# Altium PCB 行天宮-流亡暗道-石像.PcbDoc
Units mil, origin at the board's own origin, x right, y up, seen from the top; angles counter-clockwise.
Board outline 1850.39 x 2165.35 mil, 4 copper layers (Top Layer, Layer 1, Layer 2, Bottom Layer), stack 23.756 mil thick; 16 components, 16 nets, 61 pads, 8 vias.
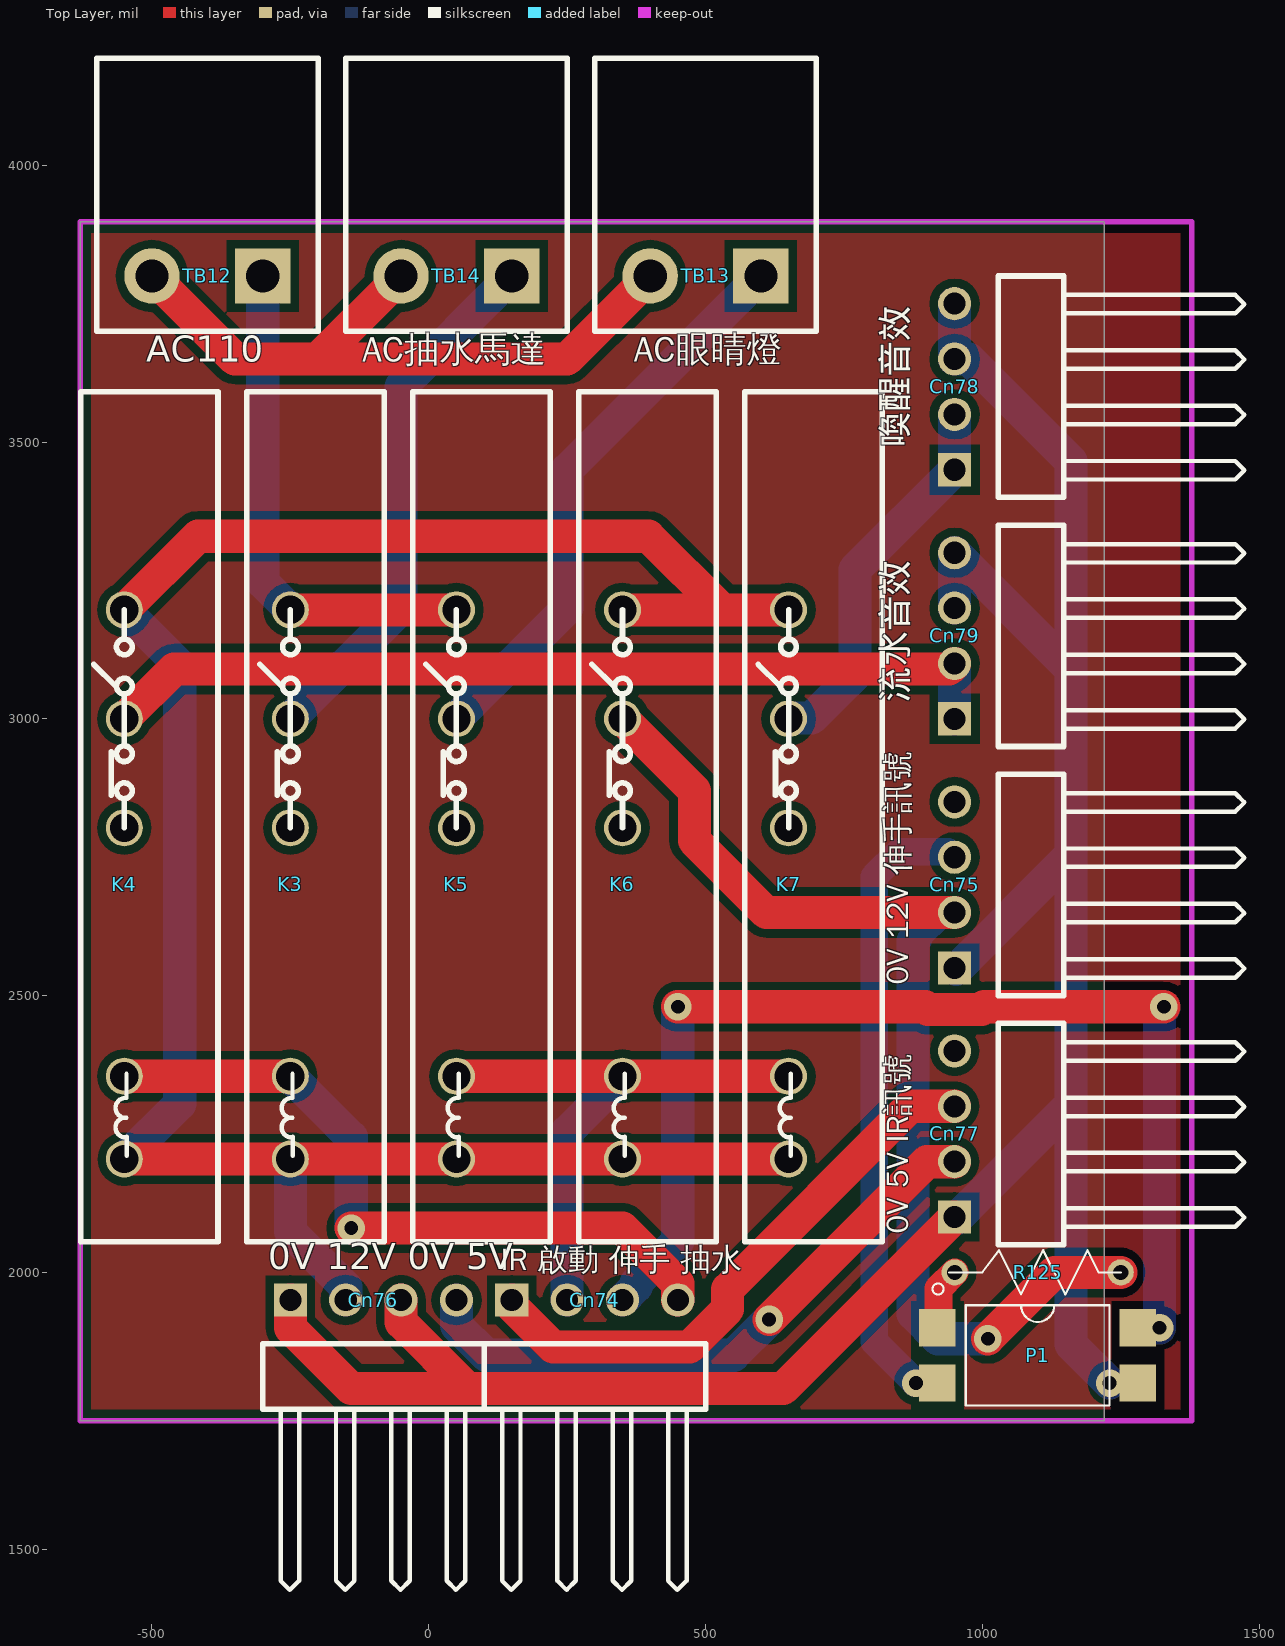
[diagram p0: Top Layer view]
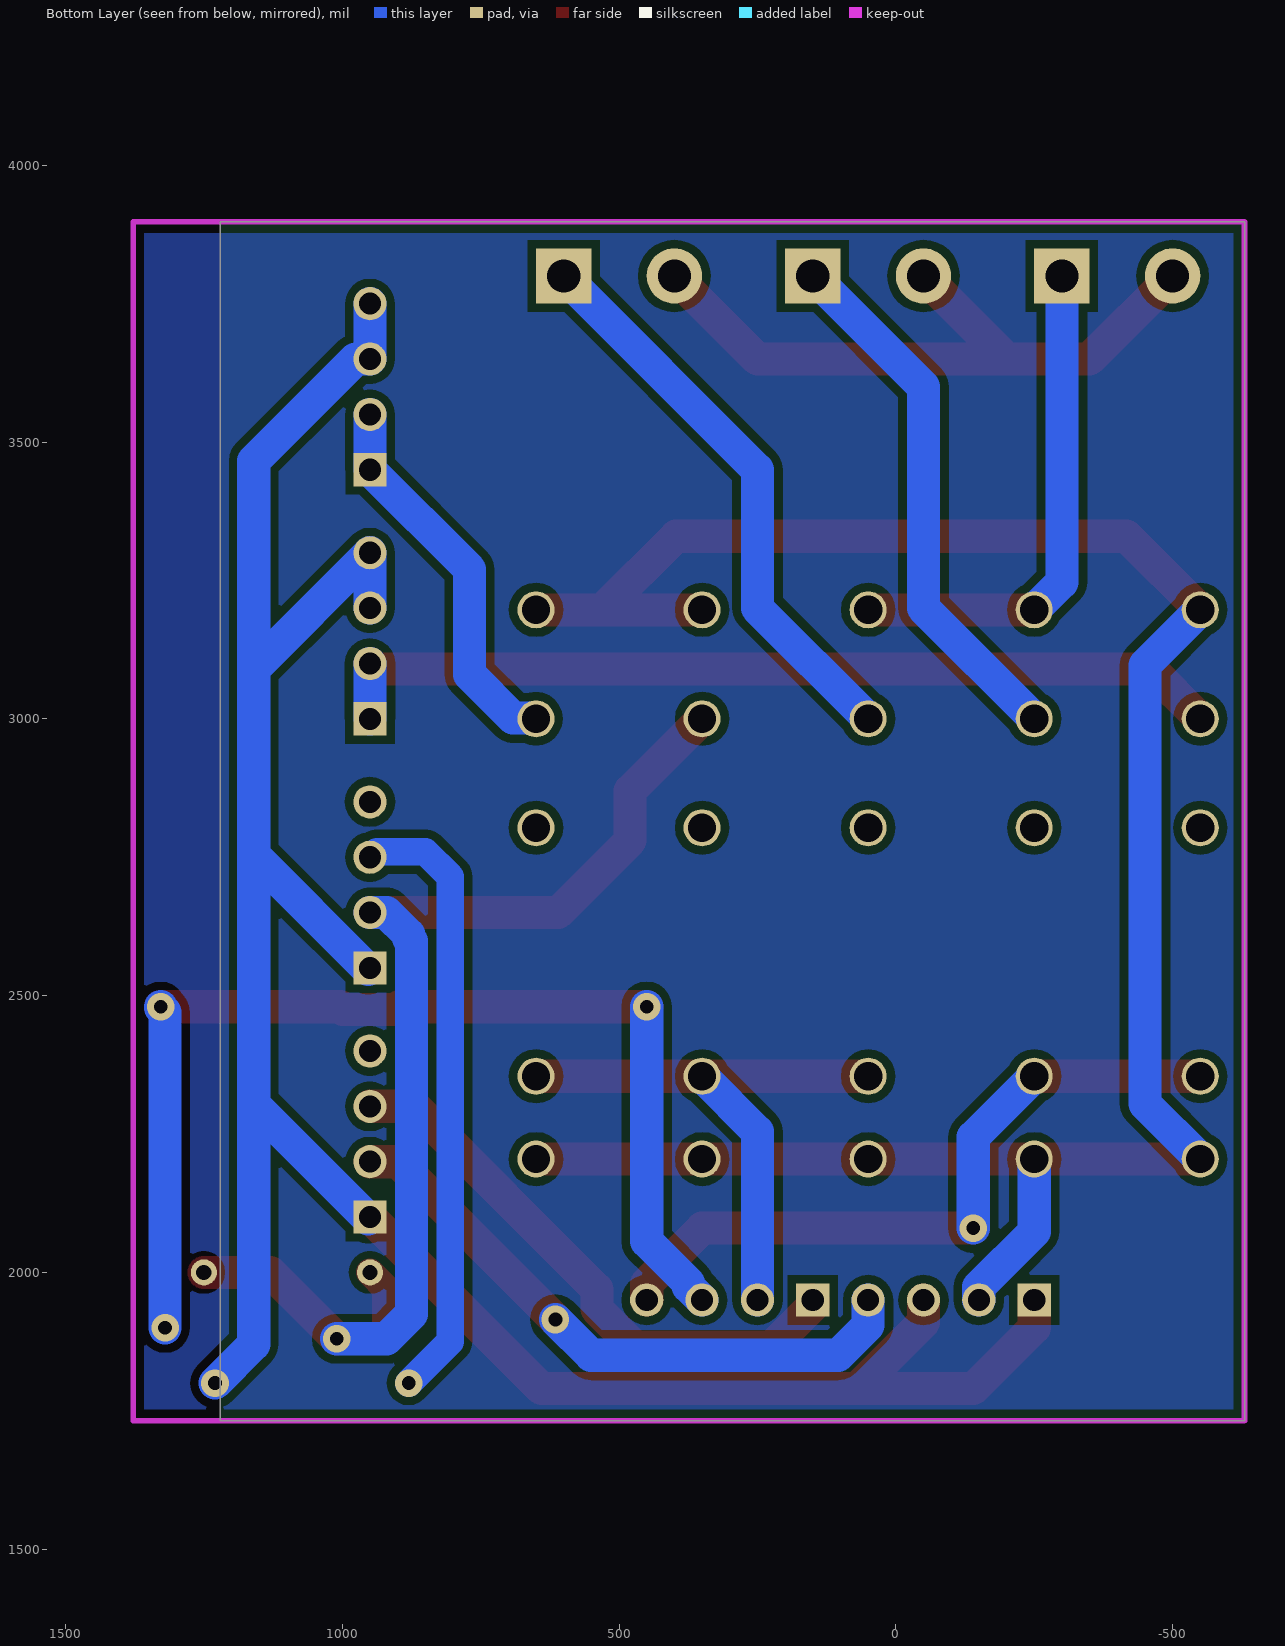
[diagram p1: Bottom Layer view, seen from below]
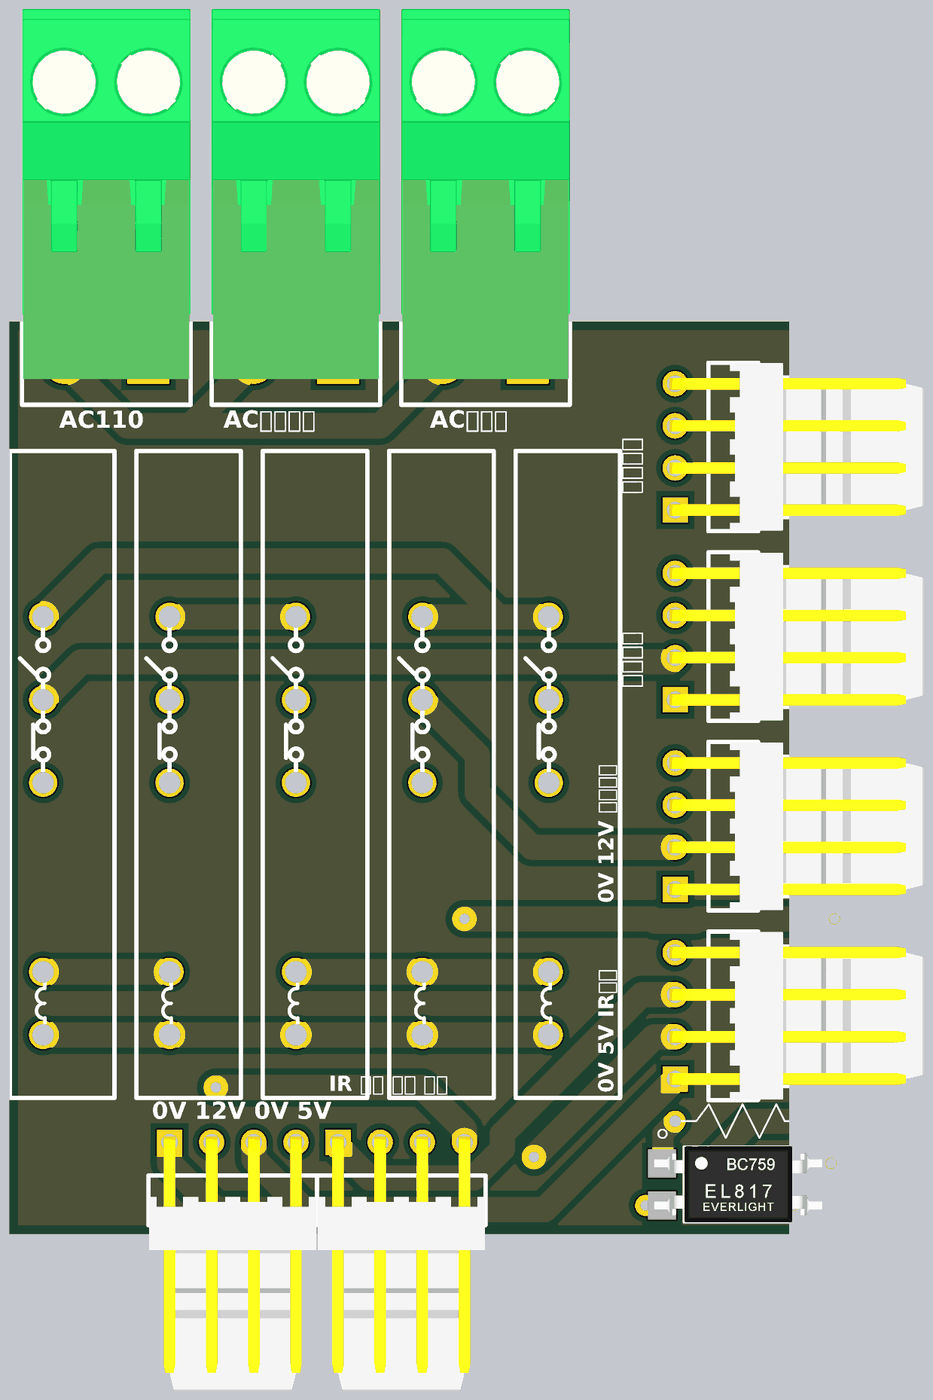
[diagram p2: 3D render of the assembled board from above, using the file's embedded part models]

## Layer stack, top to bottom
Top Solder: solder mask 0.4, Solder Resist, Dk 3.5
Top Layer: signal copper 1.4
Dielectric 2: prepreg 2.8, PP-006, Dk 4.1
Layer 1: signal copper 1.378
Dielectric 1: dielectric 12.6, FR-4, Dk 4.8
Layer 2: signal copper 1.378
Dielectric 3: prepreg 2.8, PP-006, Dk 4.1
Bottom Layer: signal copper 1.4
Bottom Solder: solder mask 0.4, Solder Resist, Dk 3.5

## Board outline
-629.92,1732.28 1220.47,1732.28 1220.47,3897.64 -629.92,3897.64

## Design rules (kind name [scope] priority, off if disabled: settings)
Clearance [All] p1: gap=15 ignorepadtopadclearanceinfootprint=FALSE except(5: Fill-Fill Fill-Poly Fill-Region Fill-Text Fill-Hole Poly-Poly Poly-Region Poly-Text Poly-Hole Region-Region Region-Text Region-Hole Text-Text Text-Hole)
ComponentClearance [All] p1: gap=0 collisioncheckmode=3 verticalgap=0 showdistances=FALSE
DiffPairsRouting [All] p1: maxlimit=10 minlimit=10 mostfreqgap=10 toplayer_minwidth=6 toplayer_maxwidth=15 toplayer_prefwidth=15 midlayer1_minwidth=6 midlayer1_maxwidth=15 midlayer1_prefwidth=15 midlayer2_minwidth=6 midlayer2_maxwidth=15 midlayer2_prefwidth=15 bottomlayer_minwidth=6 bottomlayer_maxwidth=15 bottomlayer_prefwidth=15 maxuncoupledlength=500
Height [All] p1: minheight=0 maxheight=2000 prefheight=500
PolygonConnect [All] p1: connectstyle=Relief reliefconductorwidth=10 reliefentries=4 polygonreliefangle="45 Angle" airgapwidth=10
RoutingVias [All] p1: holewidth=28 width=50 viastyle="Through Hole" minholewidth=10 minwidth=20 maxholewidth=50 maxwidth=100
SolderMaskExpansion [All] p1: expansion=4 istentingtop=FALSE
Width [All] p1: maxlimit=100 minlimit=6 preferedwidth=10 minimp=50.000000 maximp=50.000000 favimp=50.000000
27 further rules are at their usual default settings.

## Components (designator, comment, footprint, x,y, rotation, side; value= is the part's Value field where it differs from the comment)
Cn74 "KF2510-4" Connector_KF2510-4W 150,1950 r90 top
Cn75 "KF2510-4" Connector_KF2510-4W 950,2550 r180 top
Cn76 "KF2510-4" Connector_KF2510-4W -250,1950 r90 top
Cn77 "KF2510-4" Connector_KF2510-4W 950,2100 r180 top
Cn78 "KF2510-4" Connector_KF2510-4W 950,3450 r180 top
Cn79 "KF2510-4" Connector_KF2510-4W 950,3000 r180 top
K3 "G2R-1-24VDC" RELAY-HF41F-012-ZST -250,3000 r90 top
K4 "G2R-1-24VDC" RELAY-HF41F-012-ZST -550,3000 r90 top
K5 "G2R-1-24VDC" RELAY-HF41F-012-ZST 50,3000 r90 top
K6 "G2R-1-24VDC" RELAY-HF41F-012-ZST 350,3000 r90 top
K7 "G2R-1-24VDC" RELAY-HF41F-012-ZST 650,3000 r90 top
P1 "PC817" PC817 1100,1850 r0 top
R125 "1K" Res_1/4 1100,2000 r0 top
TB12 "ZB25(2P)" "Terminal block(KF2EDGR-5.08 _2P)" -300,3800 r180 top
TB13 "ZB25(2P)" "Terminal block(KF2EDGR-5.08 _2P)" 600,3800 r180 top
TB14 "ZB25(2P)" "Terminal block(KF2EDGR-5.08 _2P)" 150,3800 r180 top

## Footprints (in the part's own frame and the unit in brackets; to place one, negate y for a bottom-side part, rotate by r counter-clockwise, add the part's x,y. Pads: shape width x height; smd on the part's side, far side on the other; paste and mask are expansions set on the pad)
Connector_KF2510-4W [mil] "防呆接頭90°(4P)"
  rect 60x60 hole 40: 1(0,0)
  round 60 hole 40: 2(0,-100) 3(0,-200) 4(0,-300)
  silkscreen extent -524,-350 -79,50, body extent -591,-349 14,49, height 228
PC817 [mm] "光耦IC"
  rect 1.68x1.71 smd: 1(-4.6,1.27) 2(-4.6,-1.27) 3(4.6,-1.27) 4(4.6,1.27)
  silkscreen extent -4.83,-2.3 3.3,3.3, body extent -5.08,-2.29 5.08,2.29, height 4.73
RELAY-HF41F-012-ZST [mm] "HF41F-012-ZST+41F-1Z-A"
  round 1.7 hole 1.3: 1(0,0) 2(5,0) 3(-5,0) 4(-16.4,0) 5(-20.2,0)
  silkscreen extent -24,-4.3 15,2
Res_1/4 [mm] "1/4W DIP電阻"
  round 1.2 hole 0.7: 1(-3.81,0) 2(3.81,0)
  silkscreen extent -4.06,-1.02 3.81,1.02
"Terminal block(KF2EDGR-5.08 _2P)" [mil] "端子台(KF2EDGR-5.08 _2P))"
  rect 100x100 hole 60: 1(0,0)
  round 100 hole 60: 2(200,0)
  silkscreen extent -100,-394 300,100, body extent -100,-839 300,39, height 622

## Part data
Cn74 Cn75 Cn76 Cn77 Cn78 Cn79: library part Contact(4P), "接線端子"
K3 K4 K5 K6 K7: library part Relay, "繼電器"
P1: "光耦"
R125: library part Res, "電阻"
TB12 TB13 TB14: library part "Terminal block(2P)", "端子台"

## Via types
v1: diameter 50, hole 25, Top Layer to Bottom Layer, 8 vias

## Nets (pads, with @x,y where several pads share a name; then routed paths per layer and width w, separated by ;. In a path a pad name is that pad's centre, name@x,y a point inside that pad or via, vN(x,y) a via of type N, cw(c..) or ccw(c..) an arc to the next point about the centre after c; other vN are vias at no path point)
+5: Cn76.4 Cn77.2 | length 1112.7
  Top Layer w60: v1(614.94,1914.94) 900,2200 Cn77.2
  Bottom Layer w60: Cn76.4 50,1904.61 104.22,1850.39 550.39,1850.39 v1(614.94,1914.94)
+12: Cn76.2 K3.5 K4.2 K4.5 K5.5 K6.2 K6.5 K7.2 K7.5 | length 4061.4
  Top Layer w60: K4.5 K3.5 K5.5 K6.5 K7.5 ; K4.2 -416.85,3330 396.85,3330 530,3196.85 ; K6.2 530,3196.85 ; K7.2 530,3196.85
  Bottom Layer w60: K4.5 -450,2304.72 -450,3096.85 K4.2 ; K3.5 -250,2073.64 -150,1973.64 Cn76.2
AC_L: K3.2 K5.2 TB12.1 | length 923.9
  Top Layer w60: K3.2 K5.2
  Bottom Layer w60: TB12.1 -300,3246.85 K3.2
AC_N: TB12.2 TB13.2 TB14.2 | length 1236.4
  Top Layer w60: TB12.2 -350,3650 -200,3650 ; TB14.2 -200,3650 ; TB13.2 250,3650 -200,3650
GND: Cn75.1 Cn76.1 Cn76.3 Cn77.1 Cn78.3 Cn78.4 Cn79.3 Cn79.4 P1.3 | length 4697.1
  Top Layer w60: Cn76.1 -250,1900 -140,1790 70,1790 ; Cn76.3 -50,1910 70,1790 ; Cn77.1 640,1790 70,1790
  Bottom Layer w60: Cn79.3 Cn79.4 1160,3090 ; Cn78.4 Cn78.3 975.75,3650 1160,3465.75 1160,3090 ; Cn77.1@953.03,2096.97 1160,2303.93 ; Cn75.1@953.03,2546.97 1160,2753.93 ; v1(1230,1800) 1160,1870 1160,2303.93 ; 1160,2303.93 1160,2753.93 ; 1160,2753.93 1160,3090
Input_啟動訊號: Cn74.2 K5.4 K6.4 K7.4 | length 1045.8
  Top Layer w60: K5.4 K6.4 K7.4
  Bottom Layer w60: Cn74.2 250,2254.33 K6.4
Input_抽水訊號: Cn74.4 K3.4 K4.4 | length 1281.3
  Top Layer w60: K4.4 K3.4 ; v1(-140,2080) 350,2080 450,1980 Cn74.4
  Bottom Layer w60: K3.4 -140,2244.33 v1(-140,2080)
NetCn75_3: Cn75.3 P1.2 | length 1113.8
  Bottom Layer w50: v1(880,1800) 805,1875 805,2715 850,2760 937.29,2760 947.29,2750 Cn75.3
NetP1_1: P1.1 R125.1 | length 112.9
  Top Layer w50: P1.1 920.86,1901.95 920.86,1970.86 R125.1
Output_IR訊號: Cn74.1 Cn77.3 | length 1042.2
  Top Layer w60: Cn74.1 150,1940 225,1865 471.07,1865 539.94,1933.87 539.94,1969.65 870.29,2300 Cn77.3
Output_伸手訊號: Cn74.3 P1.4 | length 2036.8
  Top Layer w60: v1(450,2480) 896.36,2480 901.36,2475 998.64,2475 1003.64,2480 v1(1327.95,2480)
  Bottom Layer w60: Cn74.3 375,1975 375,1981.07 450,2056.07 v1(450,2480) ; v1(1320,1900) 1320,2470 1327.95,2477.95 v1(1327.95,2480)
伸手感測器_P: Cn75.2 K6.1 R125.2 | length 2014.7
  Top Layer w60: K6.1 480,2870 480,2780 610,2650 Cn75.2 ; v1(1010,1880) 1130,2000 R125.2
  Bottom Layer w60: Cn75.2 920,2650 880,2610 880,2603.64 875,2598.64 875,1925 920,1880 v1(1010,1880)
喚醒音效: Cn78.1 Cn78.2 K7.1 | length 697.7
  Bottom Layer w60: K7.1 651.33,3001.33 691.33,3001.33 770,3080 770,3270 Cn78.1 Cn78.2
抽水音效: Cn79.1 Cn79.2 K4.1 | length 1641.4
  Top Layer w60: K4.1 -460,3090 940,3090 Cn79.2
  Bottom Layer w60: Cn79.1 Cn79.2
抽水馬達_L: K3.1 TB14.1 | length 965.7
  Bottom Layer w60: K3.1 -50,3200 -50,3600 TB14.1
眼睛_L: K5.1 TB13.1 | length 1027.8
  Bottom Layer w60: K5.1 250,3200 250,3450 TB13.1
pads on no net: Cn75.4 Cn77.4 K3.3 K4.3 K5.3 K6.3 K7.3

## Polygon pours and split planes (outlines as drawn)
no net on Top Layer "NONET_L01_P000" (solid, pour order 0): -629.92,1732.28 1377.95,1732.28 1377.95,3897.64 -629.92,3897.64
no net on Bottom Layer "NONET_L04_P001" (solid, pour order 1): -629.92,1732.28 1377.95,1732.28 1377.95,3897.64 -629.92,3897.64

## Keep-outs
Keep-Out Layer:
  lines w10: -629.92,1732.28 1377.95,1732.28 1377.95,3897.64 -629.92,3897.64 -629.92,1732.28

## Silkscreen, mask and mechanical layers (free items; w line width, h text height)
Top Overlay:
  text "AC110" at -510,3630 h80
  text "AC抽水馬達" at -120,3630 h80
  text "AC眼睛燈" at 370,3630 h80
  text "喚醒音效" at 880,3490 h80 r90
  text "流水音效" at 880,3030 h80 r90
  text "0V 12V 伸手訊號" at 880,2520 h70 r90
  text "0V 5V IR訊號" at 880,2070 h70 r90
  text "0V 12V 0V 5V" at -290,1990 h80
  text "IR 啟動 伸手 抽水" at 130,1990 h70